# Altium PCB DI544.PcbDoc (part 7 of 7) (continued)
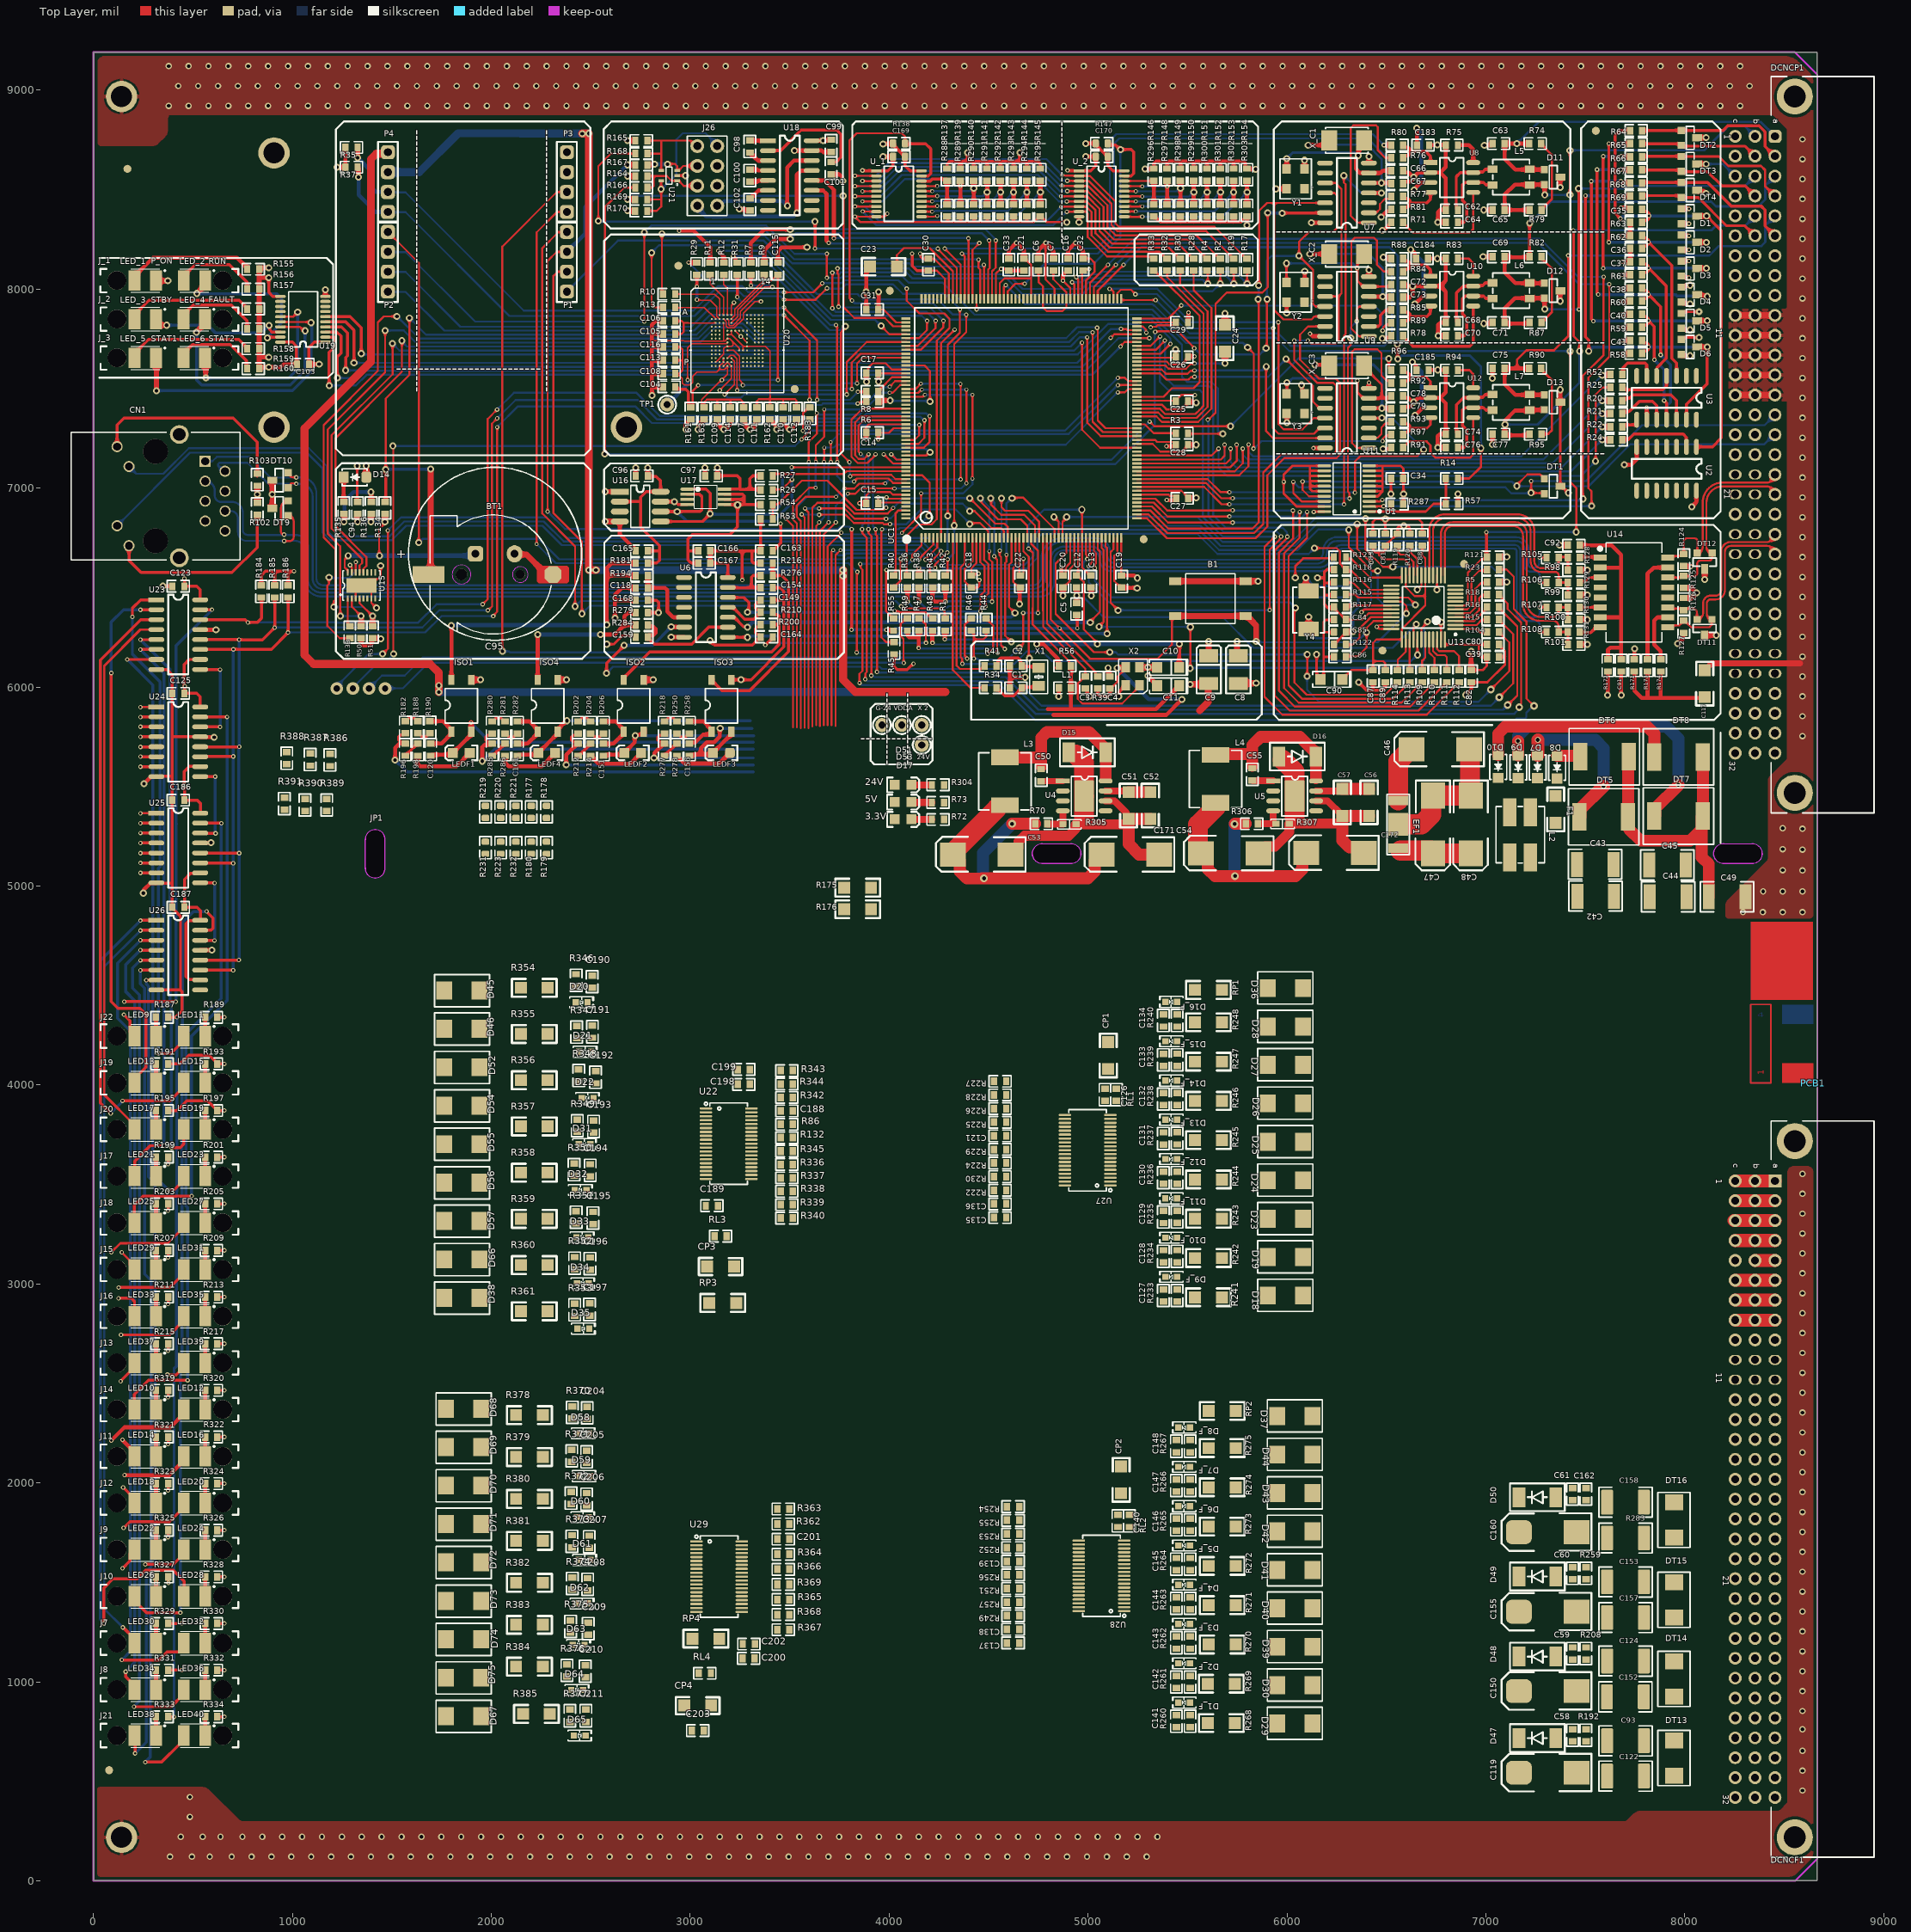
[diagram p0: Top Layer view]
## Nets (pads, with @x,y where several pads share a name; then routed paths per layer and width w, separated by ;. In a path a pad name is that pad's centre, name@x,y a point inside that pad or via, vN(x,y) a via of type N, cw(c..) or ccw(c..) an arc to the next point about the centre after c; other vN are vias at no path point) (continued)
TD_N: R99.1 R106.1 R129.1 U13.16 | length 1239.9
  Top Layer w10: U13.16@6735.03,6562.05 6734.69,6562.39 6734.69,6788.12 cw(c6798.74,6785.3) 6798.74,6849.41 7158.17,6849.41 cw(c7158.17,6782.48) 7225.09,6782.48 7225.09,6633.17 ccw(c7279.53,6633.17) 7279.53,6578.74 7349.41,6578.74 cw(c7349.41,6562.09) 7366.06,6562.09 R106.1@7366.06,6536.35 ; R106.1@7366.06,6525.88 R129.1@7412.25,6525.88 R99.1@7412.25,6477.45
TD_P: R98.1 R105.1 R128.1 U13.17 | length 1292.2
  Top Layer w10: U13.17@6715.34,6562.05 6715.69,6562.39 6715.69,6790.43 cw(c6793.66,6790.43) 6793.66,6868.41 7158.17,6868.41 cw(c7158.17,6782.48) 7244.09,6782.48 7244.09,6633.17 ccw(c7279.53,6633.17) 7279.53,6597.74 7339.87,6597.74 ccw(c7339.87,6623.93) 7366.06,6623.93 7366.06,6654.15 7412.25,6654.15 R98.1@7412.25,6595.25
TDB_N: DCNCP1.A19 DT12.1 R125.1 U14.14 | length 1008
  Top Layer w10: U14.14@7914.46,6550.84 7986.98,6550.84 ccw(c7986.98,6558.96) R125.1@7995.1,6558.96 ccw(c7995.99,6558.96) 7995.99,6558.07 8047.24,6558.07 ccw(c8047.24,6573.82) 8062.99,6573.82 8062.99,6620.08 cw(c8078.74,6620.08) 8078.74,6635.83 8122.05,6635.83 ccw(c8122.05,6651.67) 8137.89,6651.67 DT12.1@8137.89,6673.5 8124.89,6676.65 8124.84,6676.65 cw(c8137.89,6702.15) 8109.25,6702.15 8109.25,6927.25 cw(c8191,6927.25) 8191,7009 8413.28,7009 cw(c8413.28,6968.5) DCNCP1.A19@8453.78,6968.5
TDB_P: DCNCP1.A18 DT12.2 R124.1 U14.16 | length 1010.2
  Top Layer w10: U14.16@7914.46,6650.84 7922.09,6658.46 7980.52,6658.46 7991.55,6669.49 R124.1@7995.05,6669.49 7995.05,6732.25 cw(c8010.83,6732.25) 8010.83,6748.03 8048.23,6748.03 cw(c8048.23,6732.28) 8063.98,6732.28 8063.98,6674.59 cw(c8062.89,6674.59) DT12.2@8063.41,6673.63 ; DT12.2@8062.89,6673.5 ccw(c8062.89,6674.59) DT12.2@8063.41,6673.63 ; DCNCP1.A18@8453.78,7068.5 cw(c8413.28,7068.5) 8413.28,7028 8191,7028 ccw(c8191,6927.25) 8090.25,6927.25 8090.25,6700.86 cw(c8062.89,6700.86) 8075.89,6676.79 8064.17,6673.83 DT12.2@8063.41,6673.63
TX: U18.11 UC1.143 | length 1388
  Top Layer w10: UC1.143@4419.13,7951.13 4419.13,8197.13 v1(4454,8232)
  Top Layer w20: U18.11@3611.19,8496.51 3668.5,8496.51 3685.48,8479.53 3685.48,8244.41 3696.68,8233.21 v1(3696.68,8232.67)
  Bottom Layer w10: v1(3696.68,8232.67) v1@3698.98,8230.37 ; v1@3697.83,8229.85 4452.84,8229.85 v1@4454,8231.02
V_Bat: C94.2 C95.1 R134.1 R136.1 U15.16 | length 1184.5
  Top Layer w10: U15.16@1278.91,6575.75 1278.91,6586.75 1263.78,6601.89 1263.78,6642.08 1280.51,6658.81 v3(1280.51,6660.43) ; C94.2@1327.77,6870.16 C94.2@1329.4,6868.52 ; R136.1@1395.67,6869.18 R136.1@1396.65,6870.16 ; v3@1438.98,6662.4 1436.02,6665.35 1436.02,6794.43 1465.57,6823.98 v3(1465.57,6830.71) ; R134.1@1455.58,6869.15 R134.1@1465.57,6859.16
  Top Layer w20: C94.2@1327.76,6866.88 C94.2@1329.4,6868.52
  Top Layer w25: v3(1327.76,6830.71) C94.2@1327.76,6866.88 ; v3(1395.67,6830.71) R136.1@1395.67,6869.18 ; v3(1465.57,6830.71) R134.1@1465.57,6859.16
  Bottom Layer w10: v3(1327.76,6830.71) v3(1395.67,6830.71) v3(1465.57,6830.71)
  Bottom Layer w25: v3(1280.51,6660.43) 1282.11,6662.03 v3@1438.6,6662.03 ; v3(1438.98,6660.43) C95.1@1924,6660.43
VCC: C110.2 C111.2 C112.2 R162.2 U20.E6 U20.F5 U20.J10 U20.K9 | length 875.3
  Top Layer w5.91: U20.F5@3187.29,7771.65 3205.94,7771.65 3206.97,7772.68 ; U20.E6@3206.97,7791.34 3206.97,7772.68 ; U20.K9@3266.03,7692.91 3266.03,7711.57 3267.06,7712.6 ; 3401.45,7446.85 3401.45,7688.55 3377.4,7712.6 U20.J10@3285.71,7712.6 3267.06,7712.6 ; 3206.97,7772.68 3267.06,7712.6
  Top Layer w10: C111.2@3335.12,7406.12 3335.12,7436.5 3345.47,7446.85 3398.62,7446.85 3401.45,7446.85 3526.57,7446.85 3534.11,7439.32 C112.2@3534.11,7406.12 ; 3400.03,7445.44 3401.45,7444.03 R162.2@3401.45,7406.12 ; C110.2@3467.78,7406.12 3467.78,7441.67
VCCQ: C107.2 C108.2 C109.2 C113.2 C114.2 C115.2 C116.2 R163.2 U20.C6 U20.M4 U20.N4 U20.P3 U20.P5 | length 2401.4
  Top Layer w5.91: C108.2@2925.2,7565.95 2944.88,7565.95 2960.63,7550.2 2960.63,7527.56 2970.47,7517.72 2998.03,7517.72 3012.8,7532.48 3012.8,7561.8 3035,7584 3134,7584 3147.31,7597.31 ; R163.2@3058.07,7412.4 3058.07,7444.31 3157.69,7543.92 v1@3158.57,7543.92 ; v1(3159.45,7543.92) v1@3158.57,7543.92 ; U20.M4@3167.6,7653.54 U20.N4@3167.6,7633.86 3147.31,7613.57 3147.31,7597.31 ; U20.P5@3187.29,7614.17 3187.29,7613.48 3182.56,7608.74 3182.56,7607.98 3171.89,7597.31 3147.31,7597.31 ; U20.P5@3188,7611.99 3188,7573.35 v1@3158.57,7543.92 ; U20.C6@3207,7831 3207.27,7831 3239.02,7862.75 3239.02,7897.02 3373,8031 3396.1,8031 C115.2@3439.25,8074.15
  Top Layer w10: C108.2@2925,7575.64 2925.15,7575.79 2944.88,7575.79 2961.61,7592.52 2961.61,7644.69 ; C113.2@2925,7642.27 2959.2,7642.27 2961.61,7644.69 ; C116.2@2925,7708.9 2949.57,7708.9 2961.61,7696.85 2961.61,7644.69 ; R163.2@3069.8,7406.12 3069.8,7431.02 3083.78,7445 3136.81,7445 ; C109.2@3136.13,7406.12 3136.13,7444.32 3136.81,7445 ; C114.2@3202.46,7406.12 3202.46,7443.72 3203.74,7445 ; C107.2@3268.79,7406.12 3267.72,7407.2 3267.72,7431.1 3253.82,7445 3203.74,7445 ; v1(3441,7543.88) C115.2@3441,8072.4 ; 3136.81,7445 3203.74,7445
  Bottom Layer w10: v1(3159.45,7543.92) v1(3441,7543.88) v1(3441,7543.88)
VDD_MCU: C8.1 C9.1 C14.2 C15.2 C16.2 C17.2 C18.2 C19.2 C20.2 C21.2 C22.2 C25.2 C26.2 C27.2 C28.2 C29.2 C30.2 C31.2 C32.2 C33.2 L1.1 UC1.15 UC1.26 UC1.39 UC1.52 UC1.59 UC1.73 UC1.83 UC1.94 UC1.103 UC1.115 UC1.118 UC1.137 UC1.150 UC1.158 UC1.171 UC1.185 UC1.204 | length 4335
  Top Layer w10: C15.2@3946.43,6924.16 3945,6925.59 3945,6953.46 v4@3946.43,6954.88 ; C17.2@3946.43,7579 3948,7577.43 3948.31,7577.11 UC1.171@4084.48,7577.11 ; C31.2@3947,7897.57 3947.14,7897.43 3971.57,7897.43 4035.98,7833.02 UC1.158@4084.48,7833.02 ; C14.2@3948.95,7278 3999,7278 4022.52,7301.52 UC1.185@4084.48,7301.52 ; C15.2@3953.59,6927.51 UC1.204@4084.48,6927.51 ; C30.2@4201,8092.7 4241.3,8092.7 4281.33,8052.67 UC1.150@4281.33,7951.13 ; C18.2@4414.5,6561 4414,6561.5 4414,6598 4438.81,6622.81 UC1.15@4438.81,6750.34 ; UC1.137@4537.24,7951.13 4537.24,8078.94 4560.29,8102 v1(4563,8102) ; C33.2@4596.4,8092.7 C33.2@4602.4,8092.7 ; UC1.26@4655.35,6750.34 4655.35,6561.65 4655.67,6561.33 4656,6561 C22.2@4659.5,6561 ; C22.2@4660.92,6561 4664.23,6561 4675.23,6572 v1(4675.23,6645.29) ; v1(4874.02,8042.32) 4874.68,8042.32 4911.25,8005.75 UC1.118@4911.25,7951.13 ; C20.2@4883.47,6566.97 4887.7,6571.2 4887.7,6601.7 4911.25,6625.25 UC1.39@4911.25,6750.34 ; UC1.115@4970.31,7951.13 C32.2@4970.31,8091.4 ; UC1.52@5167.16,6750.34 5167.16,6562.92 C19.2@5169.08,6561 ; UC1.59@5245.9,6966.88 5405.12,6966.88 5411,6961 5432,6961 5443,6950 C27.2@5443,6949 C27.2@5434,6940 ; UC1.73@5245.9,7242.47 5337.53,7242.47 5347.57,7232.43 5430.83,7232.43 5441.83,7221.43 C28.2@5441.83,7219 ; UC1.83@5245.9,7439.32 5439.68,7439.32 C25.2@5442,7437 ; UC1.94@5245.9,7655.85 5440.45,7655.85 C26.2@5441.83,7657.23 ; UC1.103@5245.9,7833.02 5412.42,7833.02 ; v1(5314.96,7808.37) 5317.26,7810.67 5326.04,7810.67 5327.04,7811.67 5342.5,7811.67 5349.47,7818.64 5436.95,7818.64 C29.2@5438.74,7820.42 ; 5412.42,7833.14 C29.2@5441.83,7833.14 ; C25.2@5442,7440.5 5470.87,7469.37 5535.49,7469.37 v1(5537.09,7467.78)
  Top Layer w15: C31.2@3947,7897.57 C31.2@3947.21,7897.79 ; v1(4116,8179) 4116,8117 4140.3,8092.7 C30.2@4198.05,8092.7 C30.2@4201,8092.7 ; C18.2@4414.5,6561 4423,6569.5 4423.71,6568.79 4448.68,6568.79 v1(4450.02,6570.13) ; v1(4563,8102) 4563.96,8101.04 4590.4,8101.04 4596.4,8095.04 C33.2@4596.4,8092.7 ; v3@4853,5950 v3(4853,5953.86) ; v1(4865,6604) v1@4865.96,6603.04 ; C20.2@4865.96,6569.5 4869.98,6565.48 C20.2@4877.36,6565.48 ; C16.2@4887.2,8084.2 4891.98,8084.2 C16.2@4900.48,8092.7 ; C32.2@4975,8092.7 4982.34,8100.04 5005.14,8100.04 v1(5006.48,8101.38)
  Top Layer w20: v1@3945.87,7243.9 v1(3945.87,7244.88) C14.2@3945.87,7278.44 ; v3(3946.62,7535.66) 3946.53,7535.76 3946.53,7575.95 C17.2@3948,7577.43 ; v3(3947,7986) 3947,7898 C31.2@3947.21,7897.79 ; C33.2@4602.4,8092.7 C21.2@4666.64,8092.7 ; v3(4853,5953.86) L1.1@4853.03,5995.03 ; C20.2@4865.96,6569.5 v1@4865.96,6603.04 ; v1(4874.02,8042.32) 4874.4,8042.71 4874.4,8071.4 C16.2@4887.2,8084.2 ; C19.2@5171.28,6561 5231.2,6561 5243.97,6548.23 v3(5248.03,6548.23) ; v1(5394.32,7210.06) 5394.71,7210.44 5435.83,7210.44 5441.83,7216.44 C28.2@5441.83,7218 ; v1(5396,6940) C27.2@5434,6940 ; v3(5440.37,7696.45) v3@5441.1,7695.71 ; C26.2@5441.1,7661.49 C26.2@5441.41,7661.17 ; C26.2@5441.1,7663.46 v3@5441.1,7695.71 ; v3@5441.1,7697.68 v3@5441.1,7695.71 ; C9.1@5604.7,6179.97 C9.1@5607,6182.27 ; v3(5749.66,6230.32) v3@5749.66,6233.91
  Top Layer w30: C9.1@5607,6182.27 v3(5607,6230.32) ; v3(5749.66,6230.32) 5750.08,6229.89 C8.1@5750.08,6162.4
  other v4: 3945,6955
VDDA: C11.1 C13.2 L1.2 R56.2 UC1.42 VDDA.1 | length 2377
  Top Layer w10: v13(4701.04,6695.75) 4701.25,6695.75 4722.59,6674.41 4722.59,6396.66 4722.44,6396.51 4722.44,6313.98 4903.74,6132.68 4903.74,6116.6 R56.2@4914.05,6106.29 ; v14(4969.49,6891.73) 4969.9,6891.32 4969.9,6750.75 UC1.42@4970.31,6750.34 4970.31,6600.96 5010.27,6561 C13.2@5013.77,6561
  Top Layer w20: 4798,5889 4914.05,5889 ; R56.2@4914.05,6106.29 L1.2@4914.05,5996.29 4914.05,5889 ; C11.1@5458.73,6006.59 5458.73,6004.62 5443.14,5989.03 5441.17,5989.03 5341.14,5889 4914.05,5889
  Bottom Layer w10: v13(4701.04,6695.75) 4699.67,6697.11 4699.67,6812.67 4778.73,6891.73 v14(4969.49,6891.73)
VREF+: C10.1 C12.2 R56.1 UC1.41 | length 1611.6
  Top Layer w10: C12.2@4942.89,6561 4950.62,6568.74 UC1.41@4950.62,6750.34 ; C12.2@4946.39,6561 4979,6528.39 4979,6290.69 v3@5047.24,6222.44
  Top Layer w20: v3(4742.13,6216.54) 4775.59,6216.54 4847.05,6145.07 4847.05,6108.79 4853.05,6102.79 4847.05,6096.79 R56.1@4843.55,6096.79 ; C10.1@5458.73,6098.98 5458.87,6099.11 5458.87,6222.37 v3@5459,6222.5
  Bottom Layer w20: v3(4742.13,6216.54) 5037.28,6216.54 5043.19,6222.44 5047.24,6222.44 v3@5048.69,6221 ; v3(5047.24,6216.54) 5448.98,6216.54 5454.94,6222.5 v3@5459,6222.5
  other v3: 5459,6216.54
pads on no net: BT1. CN1. CN1.7 DCNCF1.33 DCNCF1.34 DCNCF1.A9 DCNCF1.A10 DCNCF1.A11 DCNCF1.A12 DCNCF1.A13 DCNCF1.A14 DCNCF1.A15 DCNCF1.A16 DCNCF1.B9 DCNCF1.B10 DCNCF1.B11 DCNCF1.B12 DCNCF1.B13 DCNCF1.B14 DCNCF1.B15 DCNCF1.B16 DCNCF1.C9 DCNCF1.C10 DCNCF1.C11 DCNCF1.C12 DCNCF1.C13 DCNCF1.C14 DCNCF1.C15 DCNCF1.C16 DCNCP1.33 DCNCP1.34 DCNCP1.A7 DCNCP1.A8 DCNCP1.A9 DCNCP1.A17 DCNCP1.A20 DCNCP1.A23 DCNCP1.A24 DCNCP1.A25 DCNCP1.A26 DCNCP1.A27 DCNCP1.A28 DCNCP1.A29 DCNCP1.A30 DCNCP1.A31 DCNCP1.A32 DCNCP1.B7 DCNCP1.B8 DCNCP1.B9 DCNCP1.B15 DCNCP1.B16 DCNCP1.B17 DCNCP1.B18 DCNCP1.B19 DCNCP1.B20 DCNCP1.B21 DCNCP1.B22 DCNCP1.B23 DCNCP1.B24 DCNCP1.B25 DCNCP1.B26 DCNCP1.B27 DCNCP1.B28 DCNCP1.B29 DCNCP1.B30 DCNCP1.B31 DCNCP1.B32 DCNCP1.C1 DCNCP1.C2 DCNCP1.C8 DCNCP1.C9 DCNCP1.C15 DCNCP1.C16 DCNCP1.C17 DCNCP1.C18 DCNCP1.C19 DCNCP1.C20 DCNCP1.C21 DCNCP1.C22 DCNCP1.C23 DCNCP1.C24 DCNCP1.C25 DCNCP1.C26 DCNCP1.C27 DCNCP1.C28 DCNCP1.C29 DCNCP1.C30 DCNCP1.C31 DCNCP1.C32 J7.0 J7.A1 J7.A2 J7.K1 J7.K2 J8.0 J8.A1 J8.A2 J8.K1 J8.K2 J9.0 J9.A1 J9.A2 J9.K1 J9.K2 J10.0 J10.A1 J10.A2 J10.K1 J10.K2 J11.0 J11.A1 J11.A2 J11.K1 J11.K2 J12.0 J12.A1 J12.A2 J12.K1 J12.K2 J13.0 J13.A1 J13.A2 J13.K1 J13.K2 J14.0 J14.A1 J14.A2 J14.K1 J14.K2 J15.0 J15.A1 J15.A2 J15.K1 J15.K2 J16.0 J16.A1 J16.A2 J16.K1 J16.K2 J17.0 J17.A1 J17.A2 J17.K1 J17.K2 J18.0 J18.A1 J18.A2 J18.K1 J18.K2 J19.0 J19.A1 J19.A2 J19.K1 J19.K2 J20.0 J20.A1 J20.A2 J20.K1 J20.K2 J21.0 J21.A1 J21.A2 J21.K1 J21.K2 J22.0 J22.A1 J22.A2 J22.K1 J22.K2 J_1.0 J_1.A1 J_1.A2 J_1.K1 J_1.K2 J_2.0 J_2.A1 J_2.A2 J_2.K1 J_2.K2 J_3.0 J_3.A1 J_3.A2 J_3.K1 J_3.K2 U2.3 U2.4 U2.5 U2.6 U2.8 U2.9 U2.10 U2.11 U2.12 U2.13 U3.1 U3.2 U3.7 U3.14 U4.2 U4.3 U4.5 U5.2 U5.3 U5.5 U6.1 U6.2 U6.3 U6.4 U7.3 U7.8 U7.9 U9.3 U9.8 U9.9 U11.3 U11.8 U11.9 U13.8 U13.9 U13.10 U13.11 U13.12 U13.25 U14.4 U14.5 U14.12 U14.13 U15.5 U15.6 U15.8 U15.9 U15.10 U15.11 U16.3 U17.3 U18.7 U18.8 U18.9 U18.10 U19.7 U19.8 U19.9 U19.12 U19.13 U19.14 U20.A1 U20.A2 U20.A10 U20.A11 U20.A12 U20.A13 U20.A14 U20.B1 U20.B10 U20.B11 U20.B12 U20.B13 U20.B14 U20.C1 U20.C3 U20.C10 U20.C11 U20.C12 U20.C13 U20.C14 U20.D1 U20.D2 U20.D3 U20.D4 U20.D12 U20.D13 U20.D14 U20.E1 U20.E2 U20.E3 U20.E5 U20.E8 U20.E9 U20.E10 U20.E12 U20.E13 U20.E14 U20.F1 U20.F2 U20.F3 U20.F10 U20.F12 U20.F13 U20.F14 U20.G1 U20.G2 U20.G3 U20.G10 U20.G12 U20.G13 U20.G14 U20.H1 U20.H2 U20.H3 U20.H12 U20.H13 U20.H14 U20.J1 U20.J2 U20.J3 U20.J12 U20.J13 U20.J14 U20.K1 U20.K2 U20.K3 U20.K6 U20.K7 U20.K10 U20.K12 U20.K13 U20.K14 U20.L1 U20.L2 U20.L3 U20.L12 U20.L13 U20.L14 U20.M1 U20.M2 U20.M3 U20.M7 U20.M8 U20.M9 U20.M10 U20.M11 U20.M12 U20.M13 U20.M14 U20.N1 U20.N3 U20.N6 U20.N7 U20.N8 U20.N9 U20.N10 U20.N11 U20.N12 U20.N13 U20.N14 U20.P1 U20.P2 U20.P7 U20.P8 U20.P9 U20.P10 U20.P11 U20.P12 U20.P13 U20.P14 U22.20 U22.22 U26.9 U27.20 U27.22 U28.20 U28.22 U29.20 U29.22 UC1.2 UC1.3 UC1.7 UC1.8 UC1.11 UC1.13 UC1.19 UC1.20 UC1.21 UC1.49 UC1.70 UC1.78 UC1.85 UC1.89 UC1.108 UC1.109 UC1.110 UC1.120 UC1.121 UC1.123 UC1.124 UC1.126 UC1.127 UC1.129 UC1.130 UC1.131 UC1.132 UC1.133 UC1.151 UC1.152 UC1.153 UC1.154 UC1.155 UC1.156 UC1.157 UC1.160 UC1.168 UC1.200 UC1.201 UC1.205 UC1.207 UC1.208 Y1.1 Y2.1 Y3.1

## Polygon pours and split planes (outlines as drawn)
GND_EARTH on Bottom Layer "GND" (solid, remove dead copper, pour order 17): 8465,5179.99 8228.03,4943.05 ccw(c8283.61,4887.46) 8205.01,4887.46 8204.99,4280.06 cw(c8204.98,4280.05) 8204.99,4280.04 8204.99,3716.92 cw(c8190.77,3685.65) 8215.08,3709.93 8316,3611 ccw(c8338.22,3650.2) 8350.23,3606.77 8517,3606.77 cw(c8496.12,3585.89) 8517,3565 8517,3425 8645.42,3425 8645.42,3573 8645.43,3949.57 ccw(c8626.12,3949.58) 8626.11,3968.89 8290.11,3968.89 cw(c8290.11,3975.07) 8283.93,3975.07 8283.93,4808.09 cw(c8312.83,4808.09) 8312.84,4837 8627,4837 ccw(c8627,4855.42) 8645.42,4855.42 8645.42,5169.59 8634.96,5180.05
GND_EARTH on Bottom Layer "BottomLayer-No Net" (solid, remove dead copper, pour order 29): 8548,15 15,15 15,472 568,472 693,347 740,300 8423,300 8517,394 8517,1316.01 8651,1316.01 8651,118
GND_EARTH on Bottom Layer "GND" (solid, remove dead copper, pour order 16): 8651,7860 8610,7901 8248.58,7901 ccw(c8248.57,7880.3) 8233.93,7894.93 8226.76,7887.76 ccw(c8243.07,7871.45) 8220,7871.44 8220,7468.67 ccw(c8250.59,7468.67) 8228.96,7447.04 8232.57,7443.43 ccw(c8250.51,7461.36) 8250.51,7436 8515,7436 8515,5649.07 cw(c8490.7,5649.07) 8507.88,5631.88 8439.02,5563.02 ccw(c8489.76,5512.28) 8418,5512.27 8418,5103 8517,5004 8517,394 8471,348 7753.59,348 7752.59,347.59 7701,296 7701,20.39 8547.12,20.39 8651.2,124.47
GND_EARTH on Bottom Layer "VCC-No Net" (solid, pour order 22): 38.97,8721.03 289.17,8721.03 ccw(c289.17,8785.85) 335.01,8740.01 357.93,8762.94 ccw(c316.74,8804.14) 375,8804.14 375,8860 cw(c390.01,8860) 390.01,8875.01 8435.15,8875.01 cw(c8435.16,8853.68) 8450.24,8868.76 8509.88,8809.12 cw(c8497.53,8796.77) 8515,8796.76 8515,7901 8240,7901 8220,7881 8220,7456 8240,7436 8651,7436 8651,9027.2 ccw(c8557.34,9027.2) 8623.56,9093.43 8562.49,9154.51 ccw(c8520.28,9112.31) 8520.27,9172 44,9172 ccw(c44,9148) 20,9148 20,8740 ccw(c38.97,8740)
+3.3V on Mid-Layer 2 "+3.3V_L03_P034" (solid, remove dead copper, pour order 34): 66,6093.99 66,8604 cw(c133.71,8604) 133.71,8671.71 283.98,8671.71 ccw(c283.98,8767.61) 351.8,8699.8 458.06,8806.06 cw(c537.56,8726.55) 537.59,8839 8100,8839 cw(c8100,8776.01) 8162.92,8772.93 8163,5962 cw(c8007.01,5961.99) 8007,5806 5369.03,5806 ccw(c5368.99,5803.89) 5368.89,5806 4859.71,5810 3499,5810 ccw(c3250.32,5711.51) 3352.59,5958.66 201.34,5958.66 cw(c201.33,6093.99)
+3.3V on Mid-Layer 2 "NONET_L-01_P-001" (solid, pour order 38): 738.19,6197 738.19,681.19 cw(c561.94,681.17) 561.92,504.92 286.08,504.92 cw(c286.08,725.05) 65.95,725.05 65.95,2397.95 65.95,6197
GND_EARTH on Mid-Layer 2 "VCC-No Net" (solid, remove dead copper, pour order 56): 20,39 20,463 cw(c29,463) 29,472 564.59,472 cw(c564.59,463.74) 570.43,469.58 733.19,306.82 ccw(c749.66,323.29) 749.66,300 7699.59,300 ccw(c7699.59,313.05) 7708.81,303.82 7754.99,350 8466.17,350 ccw(c8466.17,366.49) 8477.83,354.83 8511.88,388.88 ccw(c8499.52,401.24) 8517,401.24 8517,3565 ccw(c8504,3565) 8504,3578 8353.83,3578 cw(c8353.83,3594.48) 8342.17,3582.83 8231.31,3693.69 cw(c8294.84,3757.21) 8205,3757.21 8205,4897.1 cw(c8255.45,4897.1) 8219.78,4932.78 8412.88,5125.88 ccw(c8400.52,5138.24) 8418,5138.24 8418,5529.34 cw(c8448.56,5529.34) 8426.95,5550.95 8507.46,5631.46 ccw(c8489.28,5649.65) 8515,5649.66 8515,7550 8646,7550 8646,4845.94 cw(c8637.2,4845.94) 8637.13,4837.14 8314.91,4839.75 ccw(c8314.66,4809.09) 8284,4809.09 8284,3973 ccw(c8289,3973) 8289,3968 8631,3968 cw(c8631,3953) 8646,3953 8646,136.49 cw(c8606.21,136.48) 8634.34,108.34 8562.9,36.9 cw(c8522.1,77.69) 8522.1,20 39,20 cw(c39,39)
GND_EARTH on Mid-Layer 2 "VCC-No Net" (solid, remove dead copper, pour order 21): 5,8721 316,8721 375,8780 375,8875.01 8443.99,8875.01 8515,8804 8515,7900 8239,7900 8220,7881 8220,7456 8240,7436 8661.42,7436 8661.42,9065.3 8650,9076.72 8541.71,9185.01 5,9185.01
GND_EARTH on Top Layer "VCC-No Net" (solid, pour order 54): 35.97,8721.03 300.41,8721.03 ccw(c300.41,8758.71) 327.06,8732.07 360.23,8765.24 ccw(c324.57,8800.9) 375,8800.9 375,8860 cw(c390.01,8860) 390.01,8875.01 8436.15,8875.01 cw(c8436.16,8856.09) 8449.54,8869.46 8509.88,8809.12 cw(c8497.53,8796.77) 8515,8796.76 8515,7914 cw(c8502,7914) 8502,7901 8247.44,7901 ccw(c8247.43,7883.07) 8234.74,7895.74 8224.67,7885.67 ccw(c8235.94,7874.4) 8220,7874.39 8220,7465.32 ccw(c8242.49,7465.32) 8226.59,7449.41 8232.88,7443.12 ccw(c8250.07,7460.31) 8250.07,7436 8646,7436 8646,9037.03 ccw(c8566.41,9037.03) 8622.69,9093.31 8575.09,9140.91 ccw(c8500.04,9065.86) 8500.03,9172 56,9172 ccw(c56,9137) 21,9137 21,8736 ccw(c35.97,8736)
GND_EARTH on Top Layer "VCC-No Net" (solid, remove dead copper, pour order 15): 20,36 20,460 cw(c32,460) 32,472 545.1,472 cw(c545.1,416.71) 584.21,455.8 732.77,307.24 ccw(c750.22,324.69) 750.22,300.01 7700,300.01 ccw(c7700,312.08) 7708.54,303.54 7743.33,338.34 cw(c7771.48,310.19) 7771.49,350 8465.17,350 ccw(c8465.17,368.9) 8478.54,355.54 8511.88,388.88 ccw(c8499.52,401.23) 8517,401.24 8517,3563 cw(c8545.39,3563) 8545.39,3591.39 8619.61,3591.39 cw(c8619.61,3565) 8646,3565 8646,152.56 cw(c8564.99,152.55) 8622.27,95.27 8565.02,38.02 cw(c8521.52,81.51) 8521.51,20 36,20 cw(c36,36)
GND_EARTH on Top Layer "BottomLayer-earth" (solid, remove dead copper, pour order 19): 8646,4855.96 8646,7901 8240,7901 8220,7881 8220,7456 8240,7436 8515,7436 8515,5650.07 cw(c8488.27,5650.07) 8507.17,5631.17 8425.95,5549.95 ccw(c8445.14,5530.76) 8418,5530.76 8418,5139.24 cw(c8400.52,5139.24) 8412.88,5126.88 8214.66,4928.66 ccw(c8237.97,4905.34) 8205,4905.34 8205,4852.02 ccw(c8219.97,4852.02) 8219.95,4837.05 8418,4836.76 8515,4837.07 8626.8,4836.8 ccw(c8626.84,4855.96)
GND on Mid-Layer 1 "GND_L02_P032" (solid, remove dead copper, pour order 32): 133.63,8671.63 283.4,8671.64 ccw(c283.4,8768.77) 352.09,8700.09 457.99,8805.99 cw(c537.65,8726.33) 537.68,8839 8100,8839 cw(c8100,8776.01) 8163,8776 8163,4856 cw(c7982.81,4869.06) 7968,4689 5579,4689 5579,5812 3494.2,5812 3351,5955.2 66,5955.2 66,8604 cw(c133.62,8604)
GND on Mid-Layer 1 "NONET_L-01_P-001" (solid, pour order 37): 65.94,5958.66 65.94,5438.98 65.94,4723.42 65.94,724.05 ccw(c285,724.05) 285,505 563,505 ccw(c563,682.16) 740.16,682.16 740.16,5958.66
GND_EARTH on Mid-Layer 1 "VCC-No Net" (solid, pour order 57): 20,8721.03 316.02,8721.03 375,8780.01 375,8875.01 8443.99,8875.01 8515,8804 8515,7901 8240,7901 8220,7881 8220,7456 8240,7436 8515,7436 8515,5639 8418,5542 8418,5137.24 cw(c8404.32,5137.24) 8413.99,5127.55 8214.35,4927.92 ccw(c8236.92,4905.35) 8205,4905.34 8205,4853 ccw(c8221,4853) 8221,4837 8627,4837 ccw(c8627,4856) 8646,4856 8646,9070 8544,9172 20,9172
GND_EARTH on Mid-Layer 1 "BottomLayer-No Net" (solid, remove dead copper, pour order 55): 8548,15 15,15 15,472 568,472 740,300 7703,300 7753,350 8473,350 8517,394 8517,3591.42 8651,3591.42 8651,118

## Keep-outs
Keep-Out Layer:
  lines w10: 0,0 8555,0 8666.42,111.42 8666.42,9078.58 8552.99,9192.01 0,9192.01 0,0

## Other copper
Mid-Layer 1:
  pour cut-out: 8120.61,5174.5 cw(c8190,5170.5) 8190,5240 8339,5240 cw(c8339,5164.76) 8373.8,5098.05 cw(c8336.88,5168.81) 8336.88,5089 8193,5089 cw(c8193,5162) 8120.13,5166.31
  pour cut-out: 4692,5162 cw(c4770,5162) 4770,5240 4911,5240 cw(c4911,5162) 4989,5162 cw(c4916,5162) 4916,5089 4765,5089 cw(c4765,5162)
  pour cut-out: 1414,5311.49 cw(c1414,5233.49) 1492,5233.49 1492,5092.49 cw(c1414,5092.49) 1414,5014.49 cw(c1414,5087.49) 1341,5087.49 1341,5238.49 cw(c1414,5238.49)
Mid-Layer 2:
  pour cut-out: 8414.05,5167 cw(c8336.05,5167) 8336.05,5089 8195.05,5089 cw(c8195.05,5167) 8117.05,5167 cw(c8190.05,5167) 8190.05,5240 8341.05,5240 cw(c8341.05,5167)
  pour cut-out: 4692,5162 cw(c4770,5162) 4770,5240 4911,5240 cw(c4911,5162) 4989,5162 cw(c4916,5162) 4916,5089 4765,5089 cw(c4765,5162)
  pour cut-out: 1414,5311.49 cw(c1414,5233.49) 1492,5233.49 1492,5092.49 cw(c1414,5092.49) 1414,5014.49 cw(c1414,5087.49) 1341,5087.49 1341,5238.49 cw(c1414,5238.49)
  region net 24G1: 8128,3451 8115,3438 8115,2802 8147,2770 8475,2770 8487,2782 8487,2842 8473,2856 8212,2856 8198,2870 8198,2970 8214,2986 8480,2986 8487,2993 8487,3042 8478,3051 8212,3051 8198,3065 8198,3165 8219,3186 8482,3186 8489,3193 8489,3244 8482,3251 8215,3251 8198,3268 8198,3371 8213,3386 8481,3386 8489,3394 8489,3443 8481,3451

## Silkscreen, mask and mechanical layers (free items; w line width, h text height)
Top Overlay:
  drawing of 146 lines, arcs and shapes, not listed
  text "DI543 - V2.00" at 817.32,11138 h100
  text "2548" at 982.32,11038.5 h100
  text "----------------------" at 4826.85,8844.63 h99 r270
  text "-----------------------------------------------" at 1585.03,8802.48 h100 r270
  text "-----------------------------------------------" at 2236.03,8802.48 h100 r270
  text "-----------------------------------------------------------" at 5942,8245.09 h100
  text "P_ON" at 291,8116.3 h50
  text "RUN" at 579,8115.46 h50
  text "FAULT" at 579,7922 h50
  text "STBY" at 291,7921 h50
  text "STAT2" at 579,7727 h50
  text "STAT1" at 291,7726 h50
  text "-----------------------------------------------------------" at 5942,7688.17 h100
  text "--------------------------" at 2252.94,7640.39 h100 r180
  text "-----------------------------------------------------------" at 5942,7129.12 h100
  text "--------------" at 4219,5776.33 h90 r180
  text "--------------" at 4028.33,5608 h90 r90
  text "--------------" at 4132.34,5607.95 h90 r90
  text "24V" at 3880,5493.85 h60
  text "5V" at 3880,5406.55 h60
  text "3.3V" at 3880,5320.7 h60
Bottom Overlay:
  drawing of 26 lines, arcs and shapes, not listed
  text "DI543 - V2.00" at 1362.32,11137 h100
  text "2548" at 1197.32,11037.5 h100
Top Solder:
  rectangle: 8330.94,4428 8646,4821.7
  rectangle: 8153,2656 8515,2756
  region: 6368.51,25.49 6368.49,230.5 6402.1,264.11 8369.96,264.11 8396.13,237.94 8396.13,30.52 8391.1,25.49
  region: 25.59,25.59 831.02,25.46 1904.85,25.59 1940.7,61.44 1940.7,113.84 1917.43,137.11 412.61,137.11 311.56,238.16 311.56,408.14 247.69,472 25.53,472
  region: 6346.29,9164.04 6341.19,9158.94 6341.19,9105.1 6377.87,9068.42 8322.69,9068.42 8368.78,9114.51 8368.78,9164 8368.78,9164.01
  region: 25.45,9166.54 1899.59,9166.54 1940.57,9125.55 1940.53,9125.51 1940.53,9078.25 1917.29,9055.02 412.47,9055.02 311.42,8953.97 311.42,8783.99 248.47,8721.04 25.39,8721.04
  lines w25: 8500.98,6203.74 8180.12,6203.74 8180.12,6146.65 8046.26,6146.65 8046.26,6033.46 8501.97,6033.46 ; 13,486 13,8706 322,8706 389,8773 389,8861.22 8437.78,8861.22 8502,8797 8502,7915 8235,7915 8207,7887 8207,7447 8233,7421 8501,7421 8501,5646 8403,5548 8403,5137 8273,5007 8273,3633 8313,3593 8519,3593 8519,393 8490,364 7751,364 7750,363 7749.15,363 7700.15,314 746,314 574,486 13,486
  lines w100: 795.15,346 795.15,5817.15 881.33,5903.33 3329,5903.33 ; 5963,4778 7692,4778 7692,2706 8197,2706
Bottom Solder:
  rectangle: 8330.94,4428 8646,4821.7
  rectangle: 8153,2656 8515,2756
  region: 6368.51,20.54 6368.51,230.48 6368.49,230.5 6402.09,264.1 8370.04,264.1 8396.05,238.09 8396.05,30.45 8391.09,25.49
  region: 6377.88,9068.42 6377.87,9068.42 6341.22,9105.07 6341.22,9158.95 6346.28,9164.01 6346.29,9164.01 8368.76,9164.01 8368.76,9114.51 8368.77,9114.51 8322.67,9068.41
  region: 25.59,9166.36 25.59,8720.47 247.05,8720.47 312.12,8785.55 312.12,8955.82 411.42,9055.12 1917.32,9055.12 1940.73,9078.53 1940.73,9125.21 1899.61,9166.34
  region: 25.48,25.47 25.48,472.04 25.5,472.06 242.95,472.06 312.01,403 312.01,232.42 412.43,132 1917.28,132 1940.62,108.66 1940.62,61.59 1904.51,25.48
  lines w25: 8275.5,3630.5 8313,3593 8519,3593 8519,392 8491,364 7749,364 7700,315 7698.81,314 746,314 574,486 13,486 13,8706 322,8706 389,8773 389,8861 8438,8861 8502,8797 8502,7915 8235,7915 8207,7887 8207,7447 8233,7421 8501,7421 8501,5646 8403,5548 8403,5137 8275.5,5009.5
  lines w100: 795.34,347 795.34,5817.34 881.16,5903.16 3330.84,5903.16 3821,5903.16 3821,4778 7692,4778 7692,2706 8197,2706

## Text inside footprints (layer, text, board x,y; h text height)
C95: Top Overlay "+" at 1574,6701 h78.74 r180
DCNCF1: Top Overlay "21" at 8182.09,1532.48 h50 r270; Top Overlay "11" at 8147.48,2552.95 h50 r270; Top Overlay "32" at 8181.1,432.09 h50 r270; Top Overlay "c" at 8234.09,3605.51 h50 r270; Top Overlay "b" at 8334.09,3605.51 h50 r270; Top Overlay "a" at 8434.09,3605.51 h50 r270; Top Overlay "1" at 8147.48,3528.35 h50 r270
DCNCP1: Top Overlay "21" at 8188,6995 h50 r270; Top Overlay "11" at 8147.48,7802.95 h50 r270; Top Overlay "32" at 8213,5628 h50 r270; Top Overlay "c" at 8234.09,8855.51 h50 r270; Top Overlay "b" at 8334.09,8855.51 h50 r270; Top Overlay "a" at 8434.09,8855.51 h50 r270; Top Overlay "1" at 8188,8778 h50 r270; Mechanical 1 "PCB Edge" at 8682.13,9048.03 h50 r270
J7: Mechanical 15 "Light Guide Edge" at -211.33,1135.94 h50 r90; Mechanical 15 "9U PCB Edge" at -10,1140 h50 r90
J8: Mechanical 15 "Light Guide Edge" at -211.33,901.94 h50 r90; Mechanical 15 "9U PCB Edge" at -10,906 h50 r90
J9: Mechanical 15 "Light Guide Edge" at -211.33,1605.94 h50 r90; Mechanical 15 "9U PCB Edge" at -10,1610 h50 r90
J10: Mechanical 15 "Light Guide Edge" at -211.33,1370.94 h50 r90; Mechanical 15 "9U PCB Edge" at -10,1375 h50 r90
J11: Mechanical 15 "Light Guide Edge" at -211.33,2074.94 h50 r90; Mechanical 15 "9U PCB Edge" at -10,2079 h50 r90
J12: Mechanical 15 "Light Guide Edge" at -211.33,1839.94 h50 r90; Mechanical 15 "9U PCB Edge" at -10,1844 h50 r90
J13: Mechanical 15 "Light Guide Edge" at -211.33,2543.94 h50 r90; Mechanical 15 "9U PCB Edge" at -10,2548 h50 r90
J14: Mechanical 15 "Light Guide Edge" at -211.33,2309.94 h50 r90; Mechanical 15 "9U PCB Edge" at -10,2314 h50 r90
J15: Mechanical 15 "Light Guide Edge" at -211.33,3013.94 h50 r90; Mechanical 15 "9U PCB Edge" at -10,3018 h50 r90
J16: Mechanical 15 "Light Guide Edge" at -211.33,2778.94 h50 r90; Mechanical 15 "9U PCB Edge" at -10,2783 h50 r90
J17: Mechanical 15 "Light Guide Edge" at -211.33,3482.94 h50 r90; Mechanical 15 "9U PCB Edge" at -10,3487 h50 r90
J18: Mechanical 15 "Light Guide Edge" at -211.33,3247.94 h50 r90; Mechanical 15 "9U PCB Edge" at -10,3252 h50 r90
J19: Mechanical 15 "Light Guide Edge" at -211.33,3951.94 h50 r90; Mechanical 15 "9U PCB Edge" at -10,3956 h50 r90
J20: Mechanical 15 "Light Guide Edge" at -211.33,3717.94 h50 r90; Mechanical 15 "9U PCB Edge" at -10,3722 h50 r90
J21: Mechanical 15 "Light Guide Edge" at -211.33,670.94 h50 r90; Mechanical 15 "9U PCB Edge" at -10,675 h50 r90
J22: Mechanical 15 "Light Guide Edge" at -211.33,4186.94 h50 r90; Mechanical 15 "9U PCB Edge" at -10,4191 h50 r90
J_1: Mechanical 15 "9U PCB Edge" at -11,7988.45 h50 r90; Mechanical 15 "Light Guide Edge" at -212.33,7984.39 h50 r90
J_2: Mechanical 15 "9U PCB Edge" at -10,7794.45 h50 r90; Mechanical 15 "Light Guide Edge" at -211.33,7790.39 h50 r90
J_3: Mechanical 15 "9U PCB Edge" at -10,7599.45 h50 r90; Mechanical 15 "Light Guide Edge" at -211.33,7595.39 h50 r90
PCB1: Top Layer "1" at 8409,4050.37 h50 r90; Mid-Layer 1 "3" at 8410,4263 h50 r90; Bottom Layer "4" at 8409,4365 h50 r90; Mid-Layer 2 "2" at 8409,4138.95 h50 r90
U20: Top Overlay "1" at 3104,8013 h50; Top Overlay "A" at 2960,7860.27 h50; Top Overlay "P" at 2970,7607 h50; Top Overlay "14" at 3355,8013 h50